# KiCad board iMX6_BareBones.kicad_pcb (continued)
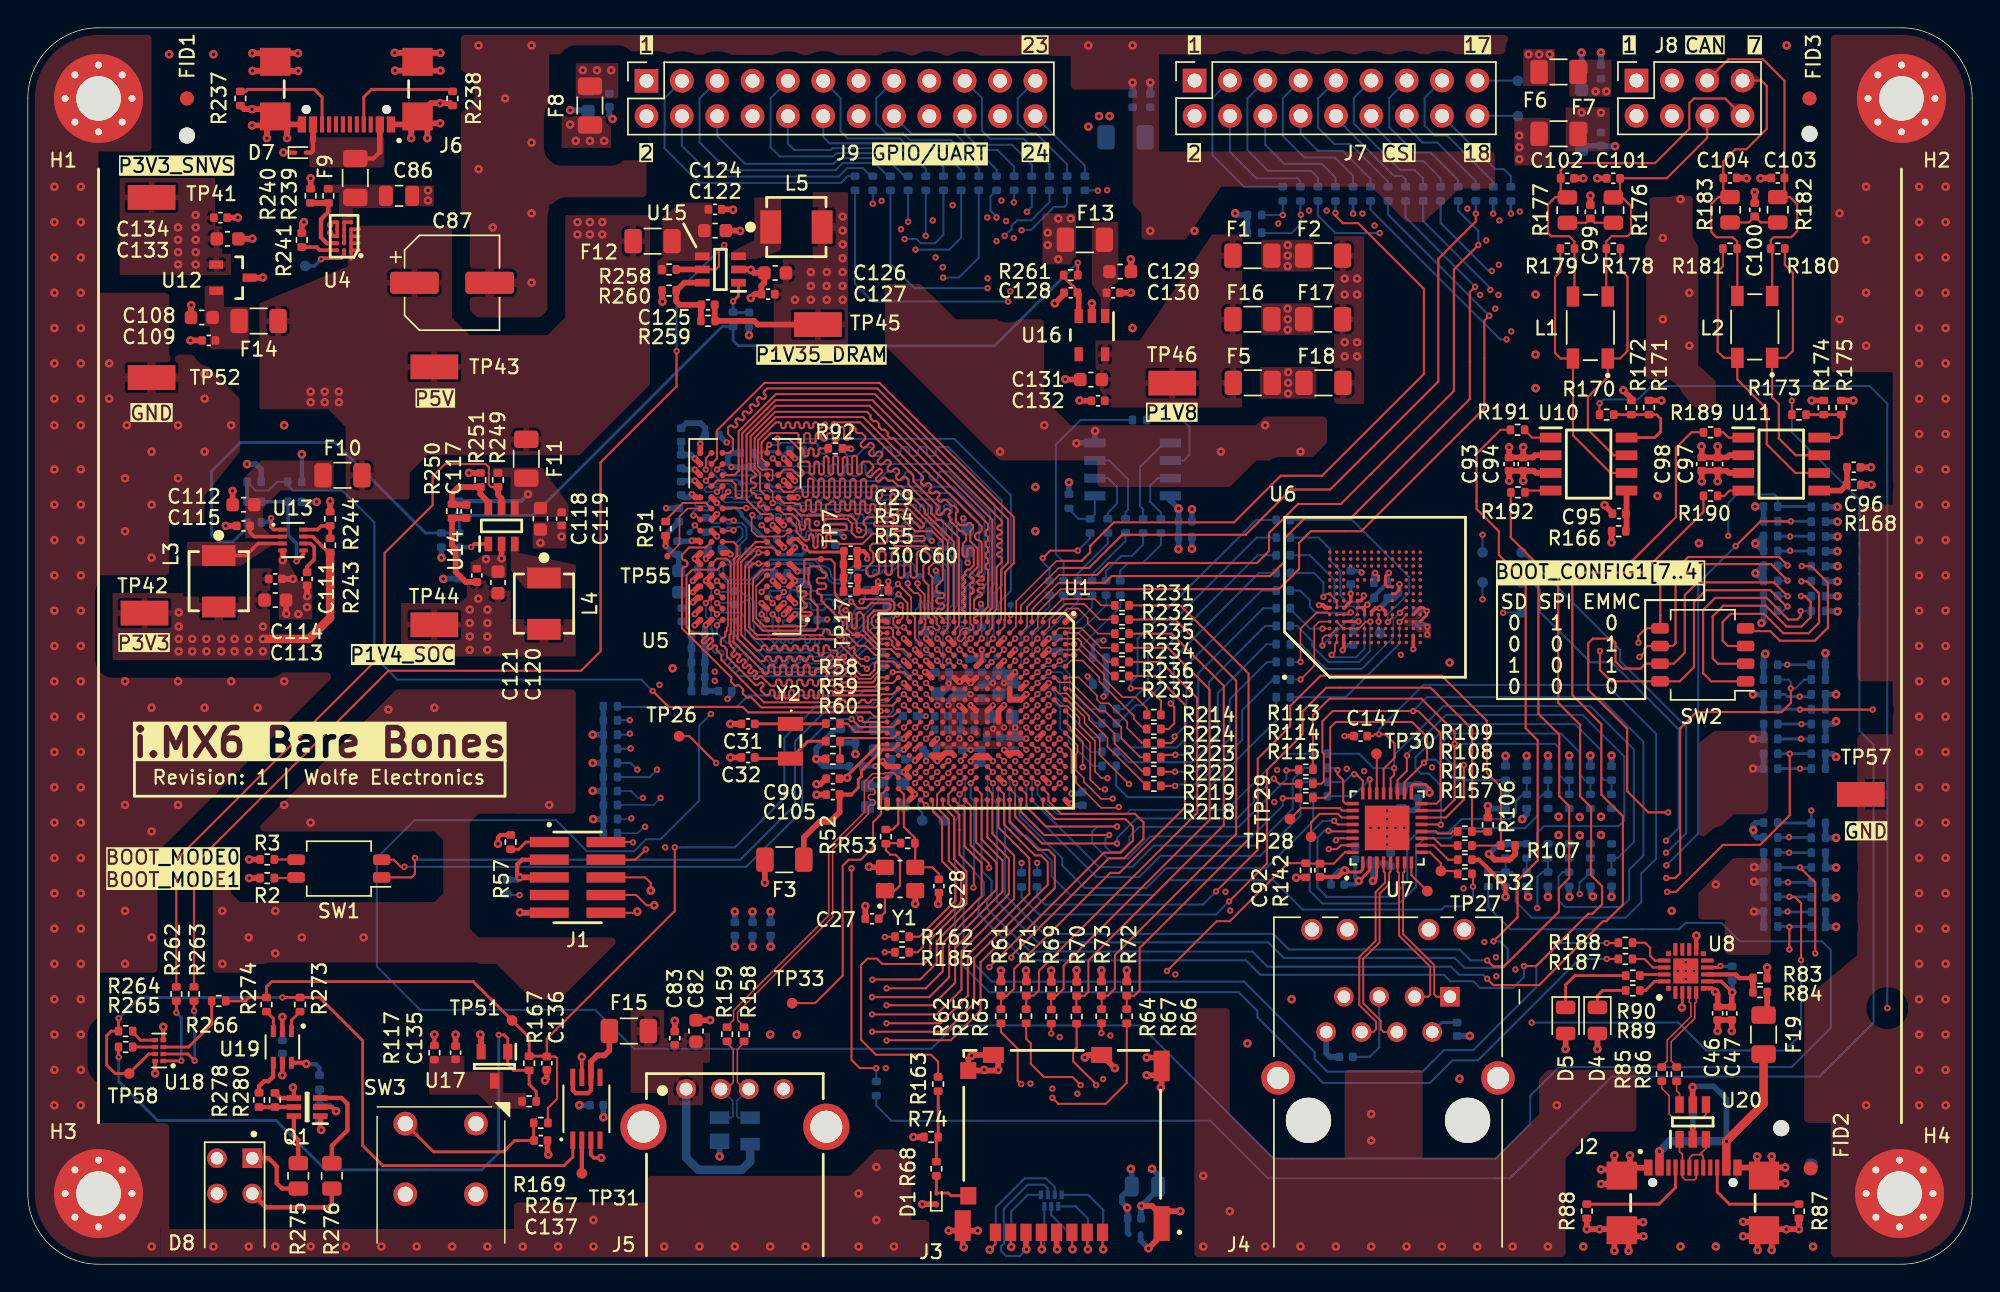
[diagram p0: board, top side]
## Footprints (pads in the part's own frame, mm; a bottom-side part is the same pattern mirrored in y, then rotated) (continued)
CP2102N_WFQFN-20
  rect 0.35x0.35 smd: 1(-1.25,1.25) 6(-1.25,-1.25) 11(1.25,-1.25) 16(1.25,1.25)
  rect 0.9x0.3 smd: 2(-1.55,0.75) 3(-1.55,0.25) 4(-1.55,-0.25) 5(-1.55,-0.75) 12(1.55,-0.75) 13(1.55,-0.25) 14(1.55,0.25) 15(1.55,0.75)
  rect 0.3x0.9 smd: 7(-0.75,-1.55) 8(-0.25,-1.55) 9(0.25,-1.55) 10(0.75,-1.55) 17(0.75,1.55) 18(0.25,1.55) 19(-0.25,1.55) 20(-0.75,1.55)
  rect 1.8x1.8 smd: EXP(0,0)
CP_Elec_6.3x7.7
  rrect 3.5x1.6 smd: 1(-2.7,0) 2(2.7,0)
D_SOD-923
  rrect 0.36x0.25 smd: 1(-0.42,0) 2(0.42,0)
DualAnd_74LVC2G08GT
  rect 0.43x0.31 smd: 1(-0.29,0.75)
  rect 0.42x0.31 smd: 2(-0.295,0.25) 3(-0.295,-0.25) 4(-0.295,-0.75) 5(0.295,-0.75) 6(0.295,-0.25) 7(0.295,0.25) 8(0.295,0.75)
DualNPN_MBT3904DW1T3G_SOT65P210X110-6N
  rect 1.05x0.4 smd: 1(-0.95,0.65) 2(-0.95,0) 3(-0.95,-0.65) 4(0.95,-0.65) 5(0.95,0) 6(0.95,0.65)
eMMC_BGA153C50P14X14_1150X1300X80
  round 0.254 smd: A1(-3.25,3.25) A2(-2.75,3.25) A3(-2.25,3.25) A4(-1.75,3.25) A5(-1.25,3.25) A6(-0.75,3.25) A7(-0.25,3.25) A8(0.25,3.25) A9(0.75,3.25) A10(1.25,3.25) A11(1.75,3.25) A12(2.25,3.25) A13(2.75,3.25) A14(3.25,3.25) B1(-3.25,2.75) B2(-2.75,2.75) B3(-2.25,2.75) B4(-1.75,2.75) B5(-1.25,2.75) B6(-0.75,2.75) B7(-0.25,2.75) B8(0.25,2.75) B9(0.75,2.75) B10(1.25,2.75) B11(1.75,2.75) B12(2.25,2.75) B13(2.75,2.75) B14(3.25,2.75) C1(-3.25,2.25) C2(-2.75,2.25) C3(-2.25,2.25) C4(-1.75,2.25) C5(-1.25,2.25) C6(-0.75,2.25) C7(-0.25,2.25) C8(0.25,2.25) C9(0.75,2.25) C10(1.25,2.25) C11(1.75,2.25) C12(2.25,2.25) C13(2.75,2.25) C14(3.25,2.25) D1(-3.25,1.75) D2(-2.75,1.75) D3(-2.25,1.75) D4(-1.75,1.75) D12(2.25,1.75) D13(2.75,1.75) D14(3.25,1.75) E1(-3.25,1.25) E2(-2.75,1.25) E3(-2.25,1.25) E5(-1.25,1.25) E6(-0.75,1.25) E7(-0.25,1.25) E8(0.25,1.25) E9(0.75,1.25) E10(1.25,1.25) E12(2.25,1.25) E13(2.75,1.25) E14(3.25,1.25) F1(-3.25,0.75) F2(-2.75,0.75) F3(-2.25,0.75) F5(-1.25,0.75) F10(1.25,0.75) F12(2.25,0.75) F13(2.75,0.75) F14(3.25,0.75) G1(-3.25,0.25) G2(-2.75,0.25) G3(-2.25,0.25) G5(-1.25,0.25) G10(1.25,0.25) G12(2.25,0.25) G13(2.75,0.25) G14(3.25,0.25) H1(-3.25,-0.25) H2(-2.75,-0.25) H3(-2.25,-0.25) H5(-1.25,-0.25) H10(1.25,-0.25) H12(2.25,-0.25) H13(2.75,-0.25) H14(3.25,-0.25) J1(-3.25,-0.75) J2(-2.75,-0.75) J3(-2.25,-0.75) J5(-1.25,-0.75) J10(1.25,-0.75) J12(2.25,-0.75) J13(2.75,-0.75) J14(3.25,-0.75) K1(-3.25,-1.25) K2(-2.75,-1.25) K3(-2.25,-1.25) K5(-1.25,-1.25) K6(-0.75,-1.25) K7(-0.25,-1.25) K8(0.25,-1.25) K9(0.75,-1.25) K10(1.25,-1.25) K12(2.25,-1.25) K13(2.75,-1.25) K14(3.25,-1.25) L1(-3.25,-1.75) L2(-2.75,-1.75) L3(-2.25,-1.75) L12(2.25,-1.75) L13(2.75,-1.75) L14(3.25,-1.75) M1(-3.25,-2.25) M2(-2.75,-2.25) M3(-2.25,-2.25) M4(-1.75,-2.25) M5(-1.25,-2.25) M6(-0.75,-2.25) M7(-0.25,-2.25) M8(0.25,-2.25) M9(0.75,-2.25) M10(1.25,-2.25) M11(1.75,-2.25) M12(2.25,-2.25) M13(2.75,-2.25) M14(3.25,-2.25) N1(-3.25,-2.75) N2(-2.75,-2.75) N3(-2.25,-2.75) N4(-1.75,-2.75) N5(-1.25,-2.75) N6(-0.75,-2.75) N7(-0.25,-2.75) N8(0.25,-2.75) N9(0.75,-2.75) N10(1.25,-2.75) N11(1.75,-2.75) N12(2.25,-2.75) N13(2.75,-2.75) N14(3.25,-2.75) P1(-3.25,-3.25) P2(-2.75,-3.25) P3(-2.25,-3.25) P4(-1.75,-3.25) P5(-1.25,-3.25) P6(-0.75,-3.25) P7(-0.25,-3.25) P8(0.25,-3.25) P9(0.75,-3.25) P10(1.25,-3.25) P11(1.75,-3.25) P12(2.25,-3.25) P13(2.75,-3.25) P14(3.25,-3.25)
FC135327680KAK0
  rect 1x1.8 smd: 1(-1.25,0) 2(1.25,0)
Fiducial_1mm_Mask2mm
  round 1 smd: (0,0)
FIL_DLW43SH510XK2K
  rect 1.45x0.9 smd: 1(-2.225,-1.25) 2(2.225,-1.25) 3(2.225,1.25) 4(-2.225,1.25)
Fuse_1206_3216Metric
  rrect 1.25x1.75 smd: 1(-1.4,0) 2(1.4,0)
GCT_MEM2090-00-145-00-A_REVA
  rect 1.15x2.2 smd: G1(-7.145,2.35) G5(7.145,13.83)
  rect 1.15x1.2 smd: G2(-6.745,13.5)
  rect 1.5x1.15 smd: G3(-4.94,14.625) G4(2.84,14.625)
  rect 1.15x2.5 smd: G6(7.145,2.5)
  rect 0.8x1.24 smd: P1(2.9,1.87) P2(1.8,1.87) P3(0.7,1.87) P4(-0.4,1.87) P5(-1.5,1.87) P6(-2.6,1.87) P7(-3.7,1.87) P8(-4.8,1.87)
  rect 1.15x1.25 smd: SW(-6.745,4.5)
GCT_USB4110GFA
  round 0.65 hole 0.65 unplated: (-2.89,0) (2.89,0)
  rect 0.6x1.15 smd: A1/B12(-3.2,1.075) A4/B9(-2.4,1.075) B1/A12(3.2,1.075) B4/A9(2.4,1.075)
  rect 0.3x1.15 smd: A5(-1.25,1.075) A6(-0.25,1.075) A7(0.25,1.075) A8(1.25,1.075) B5(1.75,1.075) B6(0.75,1.075) B7(-0.75,1.075) B8(-1.75,1.075)
  rect 2.18x2 smd: S1(-5.11,0.5) S2(5.11,0.5) S3(-5.11,-3.43) S4(5.11,-3.43)
IC_PUSB3AB6Z_ESD-SD
  rect 0.63x0.3 smd: 1(-0.415,0.75) 2(-0.415,0.25) 3(-0.415,-0.25) 4(-0.415,-0.75) 5(0.415,-0.5) 6(0.415,0) 7(0.415,0.5)
imx6ull_BGA289C80P17X17_1400X1400X132
  round 0.37 smd: A1(-6.4,6.4) A2(-5.6,6.4) A3(-4.8,6.4) A4(-4,6.4) A5(-3.2,6.4) A6(-2.4,6.4) A7(-1.6,6.4) A8(-0.8,6.4) A9(0,6.4) A10(0.8,6.4) A11(1.6,6.4) A12(2.4,6.4) A13(3.2,6.4) A14(4,6.4) A15(4.8,6.4) A16(5.6,6.4) A17(6.4,6.4) B1(-6.4,5.6) B2(-5.6,5.6) B3(-4.8,5.6) B4(-4,5.6) B5(-3.2,5.6) B6(-2.4,5.6) B7(-1.6,5.6) B8(-0.8,5.6) B9(0,5.6) B10(0.8,5.6) B11(1.6,5.6) B12(2.4,5.6) B13(3.2,5.6) B14(4,5.6) B15(4.8,5.6) B16(5.6,5.6) B17(6.4,5.6) C1(-6.4,4.8) C2(-5.6,4.8) C3(-4.8,4.8) C4(-4,4.8) C5(-3.2,4.8) C6(-2.4,4.8) C7(-1.6,4.8) C8(-0.8,4.8) C9(0,4.8) C10(0.8,4.8) C11(1.6,4.8) C12(2.4,4.8) C13(3.2,4.8) C14(4,4.8) C15(4.8,4.8) C16(5.6,4.8) C17(6.4,4.8) D1(-6.4,4) D2(-5.6,4) D3(-4.8,4) D4(-4,4) D5(-3.2,4) D6(-2.4,4) D7(-1.6,4) D8(-0.8,4) D9(0,4) D10(0.8,4) D11(1.6,4) D12(2.4,4) D13(3.2,4) D14(4,4) D15(4.8,4) D16(5.6,4) D17(6.4,4) E1(-6.4,3.2) E2(-5.6,3.2) E3(-4.8,3.2) E4(-4,3.2) E5(-3.2,3.2) E6(-2.4,3.2) E7(-1.6,3.2) E8(-0.8,3.2) E9(0,3.2) E10(0.8,3.2) E11(1.6,3.2) E12(2.4,3.2) E13(3.2,3.2) E14(4,3.2) E15(4.8,3.2) E16(5.6,3.2) E17(6.4,3.2) F1(-6.4,2.4) F2(-5.6,2.4) F3(-4.8,2.4) F4(-4,2.4) F5(-3.2,2.4) F6(-2.4,2.4) F7(-1.6,2.4) F8(-0.8,2.4) F9(0,2.4) F10(0.8,2.4) F11(1.6,2.4) F12(2.4,2.4) F13(3.2,2.4) F14(4,2.4) F15(4.8,2.4) F16(5.6,2.4) F17(6.4,2.4) G1(-6.4,1.6) G2(-5.6,1.6) G3(-4.8,1.6) G4(-4,1.6) G5(-3.2,1.6) G6(-2.4,1.6) G7(-1.6,1.6) G8(-0.8,1.6) G9(0,1.6) G10(0.8,1.6) G11(1.6,1.6) G12(2.4,1.6) G13(3.2,1.6) G14(4,1.6) G15(4.8,1.6) G16(5.6,1.6) G17(6.4,1.6) H1(-6.4,0.8) H2(-5.6,0.8) H3(-4.8,0.8) H4(-4,0.8) H5(-3.2,0.8) H6(-2.4,0.8) H7(-1.6,0.8) H8(-0.8,0.8) H9(0,0.8) H10(0.8,0.8) H11(1.6,0.8) H12(2.4,0.8) H13(3.2,0.8) H14(4,0.8) H15(4.8,0.8) H16(5.6,0.8) H17(6.4,0.8) J1(-6.4,0) J2(-5.6,0) J3(-4.8,0) J4(-4,0) J5(-3.2,0) J6(-2.4,0) J7(-1.6,0) J8(-0.8,0) J9(0,0) J10(0.8,0) J11(1.6,0) J12(2.4,0) J13(3.2,0) J14(4,0) J15(4.8,0) J16(5.6,0) J17(6.4,0) K1(-6.4,-0.8) K2(-5.6,-0.8) K3(-4.8,-0.8) K4(-4,-0.8) K5(-3.2,-0.8) K6(-2.4,-0.8) K7(-1.6,-0.8) K8(-0.8,-0.8) K9(0,-0.8) K10(0.8,-0.8) K11(1.6,-0.8) K12(2.4,-0.8) K13(3.2,-0.8) K14(4,-0.8) K15(4.8,-0.8) K16(5.6,-0.8) K17(6.4,-0.8) L1(-6.4,-1.6) L2(-5.6,-1.6) L3(-4.8,-1.6) L4(-4,-1.6) L5(-3.2,-1.6) L6(-2.4,-1.6) L7(-1.6,-1.6) L8(-0.8,-1.6) L9(0,-1.6) L10(0.8,-1.6) L11(1.6,-1.6) L12(2.4,-1.6) L13(3.2,-1.6) L14(4,-1.6) L15(4.8,-1.6) L16(5.6,-1.6) L17(6.4,-1.6) M1(-6.4,-2.4) M2(-5.6,-2.4) M3(-4.8,-2.4) M4(-4,-2.4) M5(-3.2,-2.4) M6(-2.4,-2.4) M7(-1.6,-2.4) M8(-0.8,-2.4) M9(0,-2.4) M10(0.8,-2.4) M11(1.6,-2.4) M12(2.4,-2.4) M13(3.2,-2.4) M14(4,-2.4) M15(4.8,-2.4) M16(5.6,-2.4) M17(6.4,-2.4) N1(-6.4,-3.2) N2(-5.6,-3.2) N3(-4.8,-3.2) N4(-4,-3.2) N5(-3.2,-3.2) N6(-2.4,-3.2) N7(-1.6,-3.2) N8(-0.8,-3.2) N9(0,-3.2) N10(0.8,-3.2) N11(1.6,-3.2) N12(2.4,-3.2) N13(3.2,-3.2) N14(4,-3.2) N15(4.8,-3.2) N16(5.6,-3.2) N17(6.4,-3.2) P1(-6.4,-4) P2(-5.6,-4) P3(-4.8,-4) P4(-4,-4) P5(-3.2,-4) P6(-2.4,-4) P7(-1.6,-4) P8(-0.8,-4) P9(0,-4) P10(0.8,-4) P11(1.6,-4) P12(2.4,-4) P13(3.2,-4) P14(4,-4) P15(4.8,-4) P16(5.6,-4) P17(6.4,-4) R1(-6.4,-4.8) R2(-5.6,-4.8) R3(-4.8,-4.8) R4(-4,-4.8) R5(-3.2,-4.8) R6(-2.4,-4.8) R7(-1.6,-4.8) R8(-0.8,-4.8) R9(0,-4.8) R10(0.8,-4.8) R11(1.6,-4.8) R12(2.4,-4.8) R13(3.2,-4.8) R14(4,-4.8) R15(4.8,-4.8) R16(5.6,-4.8) R17(6.4,-4.8) T1(-6.4,-5.6) T2(-5.6,-5.6) T3(-4.8,-5.6) T4(-4,-5.6) T5(-3.2,-5.6) T6(-2.4,-5.6) T7(-1.6,-5.6) T8(-0.8,-5.6) T9(0,-5.6) T10(0.8,-5.6) T11(1.6,-5.6) T12(2.4,-5.6) T13(3.2,-5.6) T14(4,-5.6) T15(4.8,-5.6) T16(5.6,-5.6) T17(6.4,-5.6) U1(-6.4,-6.4) U2(-5.6,-6.4) U3(-4.8,-6.4) U4(-4,-6.4) U5(-3.2,-6.4) U6(-2.4,-6.4) U7(-1.6,-6.4) U8(-0.8,-6.4) U9(0,-6.4) U10(0.8,-6.4) U11(1.6,-6.4) U12(2.4,-6.4) U13(3.2,-6.4) U14(4,-6.4) U15(4.8,-6.4) U16(5.6,-6.4) U17(6.4,-6.4)
KEYSTONE_5015
  rect 3.43x1.78 smd: 1(0,0)
KSZ8081RNB_QFN32
  rect 0.864x0.254 smd: 1(-2.477,1.75) 2(-2.477,1.25) 3(-2.477,0.75) 4(-2.477,0.25) 5(-2.477,-0.25) 6(-2.477,-0.75) 7(-2.477,-1.25) 8(-2.477,-1.75) 17(2.477,-1.75) 18(2.477,-1.25) 19(2.477,-0.75) 20(2.477,-0.25) 21(2.477,0.25) 22(2.477,0.75) 23(2.477,1.25) 24(2.477,1.75)
  rect 0.254x0.864 smd: 9(-1.75,-2.477) 10(-1.25,-2.477) 11(-0.75,-2.477) 12(-0.25,-2.477) 13(0.25,-2.477) 14(0.75,-2.477) 15(1.25,-2.477) 16(1.75,-2.477) 25(1.75,2.477) 26(1.25,2.477) 27(0.75,2.477) 28(0.25,2.477) 29(-0.25,2.477) 30(-0.75,2.477) 31(-1.25,2.477) 32(-1.75,2.477)
  rect 3.2x3.2 smd: 33(0,0)
LED_0805_2012Metric
  rrect 0.975x1.4 smd: 1(-0.938,0) 2(0.938,0)
LED_WP934MD_2GD
  rect 1.408x1.408 hole 0.9: 1(-2.915,1.27)
  round 1.408 hole 0.9: 2(-2.915,-1.27) 3(-0.375,1.27) 4(-0.375,-1.27)
LTV75718
  rect 1x0.6 smd: 1(-1.375,0.95) 2(-1.375,0) 3(-1.375,-0.95) 4(1.375,-0.95) 5(1.375,0.95)
MIC2025_MSOP-8_MM_MCH
  rect 1.245x0.356 smd: 1(-2.261,0.975) 2(-2.261,0.325) 3(-2.261,-0.325) 4(-2.261,-0.975) 5(2.261,-0.975) 6(2.261,-0.325) 7(2.261,0.325) 8(2.261,0.975)
MountingHole_3.2mm_M3_Pad_Via
  round 0.8 hole 0.5: 1(-2.4,0) 1(-1.697,1.697) 1(-1.697,-1.697) 1(0,2.4) 1(0,-2.4) 1(1.697,1.697) 1(1.697,-1.697) 1(2.4,0)
  round 6.4 hole 3.2: 1(0,0)
MT41K_BGA96C80P9X16_1400X800X120
  round 0.43 smd: A1(-3.2,6) A2(-2.4,6) A3(-1.6,6) A7(1.6,6) A8(2.4,6) A9(3.2,6) B1(-3.2,5.2) B2(-2.4,5.2) B3(-1.6,5.2) B7(1.6,5.2) B8(2.4,5.2) B9(3.2,5.2) C1(-3.2,4.4) C2(-2.4,4.4) C3(-1.6,4.4) C7(1.6,4.4) C8(2.4,4.4) C9(3.2,4.4) D1(-3.2,3.6) D2(-2.4,3.6) D3(-1.6,3.6) D7(1.6,3.6) D8(2.4,3.6) D9(3.2,3.6) E1(-3.2,2.8) E2(-2.4,2.8) E3(-1.6,2.8) E7(1.6,2.8) E8(2.4,2.8) E9(3.2,2.8) F1(-3.2,2) F2(-2.4,2) F3(-1.6,2) F7(1.6,2) F8(2.4,2) F9(3.2,2) G1(-3.2,1.2) G2(-2.4,1.2) G3(-1.6,1.2) G7(1.6,1.2) G8(2.4,1.2) G9(3.2,1.2) H1(-3.2,0.4) H2(-2.4,0.4) H3(-1.6,0.4) H7(1.6,0.4) H8(2.4,0.4) H9(3.2,0.4) J1(-3.2,-0.4) J2(-2.4,-0.4) J3(-1.6,-0.4) J7(1.6,-0.4) J8(2.4,-0.4) J9(3.2,-0.4) K1(-3.2,-1.2) K2(-2.4,-1.2) K3(-1.6,-1.2) K7(1.6,-1.2) K8(2.4,-1.2) K9(3.2,-1.2) L1(-3.2,-2) L2(-2.4,-2) L3(-1.6,-2) L7(1.6,-2) L8(2.4,-2) L9(3.2,-2) M1(-3.2,-2.8) M2(-2.4,-2.8) M3(-1.6,-2.8) M7(1.6,-2.8) M8(2.4,-2.8) M9(3.2,-2.8) N1(-3.2,-3.6) N2(-2.4,-3.6) N3(-1.6,-3.6) N7(1.6,-3.6) N8(2.4,-3.6) N9(3.2,-3.6) P1(-3.2,-4.4) P2(-2.4,-4.4) P3(-1.6,-4.4) P7(1.6,-4.4) P8(2.4,-4.4) P9(3.2,-4.4) R1(-3.2,-5.2) R2(-2.4,-5.2) R3(-1.6,-5.2) R7(1.6,-5.2) R8(2.4,-5.2) R9(3.2,-5.2) T1(-3.2,-6) T2(-2.4,-6) T3(-1.6,-6) T7(1.6,-6) T8(2.4,-6) T9(3.2,-6)
NX20P5090UK
  round 0.306 smd: A1(-0.5,1) A2(0,1) A3(0.5,1) B1(-0.5,0.5) B2(0,0.5) B3(0.5,0.5) C1(-0.5,0) C2(0,0) C3(0.5,0) D1(-0.5,-0.5) D2(0,-0.5) D3(0.5,-0.5) E1(-0.5,-1) E2(0,-1) E3(0.5,-1)
PinSocket_2x04_P2.54mm_Vertical ( Sullins PPPC042LFBN-RC)
  rect 1.7x1.7 hole 1: 1(0,0)
  round 1.7 hole 1: 2(-2.54,0) 3(0,-2.54) 4(-2.54,-2.54) 5(0,-5.08) 6(-2.54,-5.08) 7(0,-7.62) 8(-2.54,-7.62)
PinSocket_2x09_P2.54mm_Vertical (Sullins PPPC092LFBN-RC)
  rect 1.7x1.7 hole 1: 1(0,0)
  round 1.7 hole 1: 2(-2.54,0) 3(0,-2.54) 4(-2.54,-2.54) 5(0,-5.08) 6(-2.54,-5.08) 7(0,-7.62) 8(-2.54,-7.62) 9(0,-10.16) 10(-2.54,-10.16) 11(0,-12.7) 12(-2.54,-12.7) 13(0,-15.24) 14(-2.54,-15.24) 15(0,-17.78) 16(-2.54,-17.78) 17(0,-20.32) 18(-2.54,-20.32)
PinSocket_2x12_P2.54mm_Vertical (Sullins PPPC122LFBN-RC)
  rect 1.7x1.7 hole 1: 1(0,0)
  round 1.7 hole 1: 2(-2.54,0) 3(0,-2.54) 4(-2.54,-2.54) 5(0,-5.08) 6(-2.54,-5.08) 7(0,-7.62) 8(-2.54,-7.62) 9(0,-10.16) 10(-2.54,-10.16) 11(0,-12.7) 12(-2.54,-12.7) 13(0,-15.24) 14(-2.54,-15.24) 15(0,-17.78) 16(-2.54,-17.78) 17(0,-20.32) 18(-2.54,-20.32) 19(0,-22.86) 20(-2.54,-22.86) 21(0,-25.4) 22(-2.54,-25.4) 23(0,-27.94) 24(-2.54,-27.94)
QSPI_flash_AT25SF321B_SOIC127P600X175-8N
  rect 1.525x0.65 smd: 1(-2.712,1.905) 2(-2.712,0.635) 3(-2.712,-0.635) 4(-2.712,-1.905) 5(2.712,-1.905) 6(2.712,-0.635) 7(2.712,0.635) 8(2.712,1.905)
R_0402_1005Metric
  rrect 0.54x0.64 smd: 1(-0.51,0) 2(0.51,0)
R_0805_2012Metric
  rrect 1.025x1.4 smd: 1(-0.912,0) 2(0.912,0)
SAMTEC_FTSH-105-XX-X-DV
  rect 0.74x2.79 smd: 01(-2.54,-2.035) 02(-2.54,2.035) 03(-1.27,-2.035) 04(-1.27,2.035) 05(0,-2.035) 06(0,2.035) 07(1.27,-2.035) 08(1.27,2.035) 09(2.54,-2.035) 10(2.54,2.035)
SN74LVC2G34_DCK6
  rect 0.845x0.355 smd: 1(-1.134,0.65) 2(-1.134,0) 3(-1.134,-0.65) 4(1.134,-0.65) 5(1.134,0) 6(1.134,0.65)
SOT583_MP2182_MNP
  rect 0.61x0.279 smd: 1(-0.749,0.75) 2(-0.749,0.25) 3(-0.749,-0.25) 4(-0.749,-0.75) 5(0.749,-0.75) 6(0.749,-0.25) 7(0.749,0.25) 8(0.749,0.75)
SP0503BAHTG
  rect 1.1x1.4 smd: 1(-0.75,-1.1)
  rect 0.9x1.4 smd: 2(0.95,-1.1) 3(0.95,1.1) 4(-0.95,1.1)
SW_DIP_SPSTx02_Slide_Omron_A6H-2101_W6.15mm_P1.27mm
  rrect 1.25x0.76 smd: 1(-3.075,0.635) 2(-3.075,-0.635) 3(3.075,-0.635) 4(3.075,0.635)
SW_DIP_SPSTx04_Slide_Omron_A6H-4101_W6.15mm_P1.27mm
  rrect 1.25x0.76 smd: 1(-3.075,1.905) 2(-3.075,0.635) 3(-3.075,-0.635) 4(-3.075,-1.905) 5(3.075,-1.905) 6(3.075,-0.635) 7(3.075,0.635) 8(3.075,1.905)
T_Wurth_WE-RJ45LAN_7499010121A
  round 3.25 hole 3.25 unplated: (-10.16,-8.89) (1.27,-8.89)
  rect 1.408x1.408 hole 0.9: 1(0,0)
  round 1.408 hole 0.9: 2(-1.27,-2.54) 3(-2.54,0) 4(-3.81,-2.54) 5(-5.08,0) 6(-6.35,-2.54) 7(-7.62,0) 8(-8.89,-2.54)
  round 1.53 hole 1.02: 9(1.02,4.83) 10(-1.52,4.83) 11(-7.37,4.83) 12(-9.91,4.83)
  round 2.4 hole 1.6: SH(-12.345,-5.84) SH(3.455,-5.84)
TestPoint_Pad_D18mil
  round 0.457 smd: 1(0,0)
TestPoint_Pad_D30mil
  round 0.762 smd: 1(0,0)
TJA1042T_SOIC127P600X175-8N
  rect 1.55x0.7 smd: 1(-2.725,1.905) 2(-2.725,0.635) 3(-2.725,-0.635) 4(-2.725,-1.905) 5(2.725,-1.905) 6(2.725,-0.635) 7(2.725,0.635) 8(2.725,1.905)
TLV76033
  rect 1x0.6 smd: 1(-1.2,0.95) 2(-1.2,-0.95) 3(1.2,0)
ToolingHole_1.152mm
  round 1.152 hole 1.152 unplated: (0,0)
TSX-322524.0000MF15X-AC3
  rrect 1.09x1.29 smd: 1(-0.84,1.09) 2(-0.84,-1.09) 3(0.84,-1.09) 4(0.84,1.09)
USBArec_61400416021
  round 1.428 hole 0.92: 1(-3.5,5.99) 2(-1,5.99) 3(1,5.99) 4(3.5,5.99)
  round 3.316 hole 2.3: S1(-6.57,3.28) S2(6.57,3.28)
USBLC6-2SC6
  rect 1.2x0.6 smd: 1(-1.25,0.95) 2(-1.25,0) 3(-1.25,-0.95) 4(1.25,-0.95) 5(1.25,0) 6(1.25,0.95)
WE-LHMI_4020
  rect 1.5x2.4 smd: 1(-1.85,0) 2(1.85,0)

## Nets
/Signal_Map/iMX6_Ethernet_USB/VDD_USB_CAP: C106.2 C107.2 U1.R12
/Signal_Map/iMX6_Power/VDD_ARM_CAP: C15.1 C18.1 C21.1 U1.G9 U1.G10 U1.G11 U1.H11
/Signal_Map/iMX6_Power/VDD_HIGH_CAP: C23.1 C26.1 C148.1 U1.N6 U1.R14 U1.R15
/Signal_Map/iMX6_Power/VDD_SNVS_CAP: C17.1 U1.N12
/Signal_Map/iMX6_Power/VDD_SOC_CAP: C16.1 C19.1 C22.1 C25.1 U1.G8 U1.H8 U1.J8 U1.J11 U1.K8 U1.K11 U1.L8 U1.L9 U1.L10 U1.L11
/Signal_Map/Power2/P1V4_EN: C116.2 R254.1 U14.1
/Signal_Map/Power2/P1V4_FB: C117.1 R250.1 R251.2 U14.6
/Signal_Map/Power2/P1V4_LX: L4.1 U14.3
/Signal_Map/Power2/P1V4_PG: R249.1 R262.1 U14.5
/Signal_Map/Power2/P1V8_EN: C128.2 R261.1 U16.3
/Signal_Map/Power2/P1V35_EN: C123.2 R257.1 U15.1
/Signal_Map/Power2/P1V35_FB: C125.1 R259.1 R260.2 U15.6
/Signal_Map/Power2/P1V35_LX: L5.1 U15.3
/Signal_Map/Power2/P1V35_PG: R258.1 R263.1 U15.5
/Signal_Map/Power/P3V3_EN: C110.2 R245.1 U13.5
/Signal_Map/Power/P3V3_FB: R243.1 R244.2 U13.8
/Signal_Map/Power/P3V3_PG_R: R248.1 U13.1
/Signal_Map/Power/P3V3_PGD: R248.2 R252.1 R253.2 R254.2 R257.2 R261.2
/Signal_Map/Power/P3V3_SS: C111.2 U13.6
/Signal_Map/Power/P3V3_SW: L3.1 U13.3
/Signal_Map/Power/VBUS_ACK: TP40.1 U4.A2
/Signal_Map/Power/VBUS_OVLO: R239.1 R240.2 U4.B3
GND: C1.2 C2.2 C3.2 C4.2 C5.2 C6.2 C7.2 C8.2 C9.2 C10.2 C11.2 C12.2 C13.2 C14.2 C15.2 C16.2 C17.2 C18.2 C19.2 C20.2 C21.2 C22.2 C23.2 C24.2 C25.2 C26.2 C27.2 C28.2 C30.2 C31.2 C32.2 C33.2 C34.2 C35.2 C36.2 C37.2 C38.2 C39.2 C40.2 C41.2 C42.1 C43.1 C44.1 C45.1 C46.1 C47.1 C48.1 C49.1 C50.1 C51.2 C52.1 C53.1 C58.1 C59.1 C60.1 C61.1 C62.1 C63.1 C64.1 C65.1 C66.1 C67.1 C68.1 C69.1 C70.1 C71.1 C72.1 C73.2 C74.2 C75.2 C76.2 C77.2 C78.2 C79.2 C80.2 C81.1 C82.1 C83.1 C84.1 C85.1 C86.2 C87.2 C88.1 C89.1 C90.1 C91.1 C92.2 C93.2 C94.2 C95.2 C96.2 C97.2 C98.2 C99.2 C100.2 C101.2 C102.2 C103.2 C104.2 C105.1 C106.1 C107.1 C108.2 C109.2 C110.1 C111.1 C112.2 C113.2 C114.2 C115.2 C116.1 C118.2 C119.2 C120.2 C121.2 C122.2 C123.1 C124.2 C126.2 C127.2 C128.1 C129.2 C130.2 C131.2 C132.2 C133.2 C134.2 C135.1 C136.1 C137.1 C138.2 C139.2 C140.2 C141.2 C142.2 C143.2 C144.2 C145.2 C146.1 C147.2 C148.2 C149.1 C150.1 D1.1 D2.1 D6.1 D7.1 H1.1 H2.1 H3.1 H4.1 J1.03 J1.05 J1.09 J2.A1/B12 J2.B1/A12 J2.S1 J2.S2 J2.S3 J2.S4 J3.G1 J3.G2 J3.G3 J3.G4 J3.G5 J3.G6 J3.P6 J4.8 J4.SH J5.4 J5.S1 J5.S2 J6.A1/B12 J6.B1/A12 J6.S1 J6.S2 J6.S3 J6.S4 J7.1 J8.3 J8.4 J9.2 J9.7 J9.8 J9.13 J9.14 J9.18 J9.21 J9.22 Q1.1 Q1.4 R1.2 R28.1 R29.1 R30.1 R31.1 R32.1 R33.1 R34.1 R35.1 R36.1 R37.1 R38.1 R39.1 R40.1 R41.1 R42.1 R43.1 R44.1 R45.1 R46.1 R47.1 R48.1 R49.1 R50.1 R51.1 R55.2 R56.1 R60.1 R83.1 R87.1 R88.1 R91.2 R92.2 R94.1 R95.1 R96.1 R97.1 R98.1 R100.1 R101.1 R102.1 R103.1 R104.1 R105.1 R119.1 R121.1 R123.1 R125.1 R127.1 R129.1 R131.1 R133.1 R135.1 R137.1 R139.1 R141.1 R171.1 R175.1 R237.1 R238.1 R240.1 R241.1 R244.1 R247.1 R251.1 R253.1 R256.2 R260.1 R279.2 R280.2 R281.2 SW3.1 TP52.1 TP57.1 U1.A1 U1.A17 U1.C3 U1.C7 U1.C11 U1.C15 U1.E8 U1.E11 U1.F6 U1.F7 U1.F8 U1.F9 U1.F10 U1.F11 U1.F12 U1.G3 U1.G5 U1.G7 U1.G12 U1.G15 U1.H7 U1.H12 U1.J5 U1.J7 U1.J12 U1.K7 U1.K12 U1.L3 U1.L7 U1.L12 U1.M7 U1.M8 U1.M9 U1.M10 U1.M11 U1.M12 U1.N3 U1.N5 U1.R3 U1.R5 U1.R7 U1.R11 U1.R16 U1.R17 U1.T14 U1.U1 U1.U14 U1.U17 U2.2 U3.4 U4.C3 U4.D3 U4.E3 U5.A9 U5.B1 U5.B3 U5.B9 U5.D1 U5.D8 U5.E1 U5.E2 U5.E8 U5.F9 U5.G1 U5.G8 U5.G9 U5.J2 U5.J8 U5.M1 U5.M9 U5.P1 U5.P9 U5.T1 U5.T9 U6.A6 U6.C4 U6.D4 U6.E7 U6.G5 U6.H10 U6.J5 U6.K8 U6.N1 U6.N2 U6.N5 U6.P4 U6.P6 U7.1 U7.33 U8.3 U8.12 U8.EXP U9.3 U10.2 U11.2 U12.3 U13.4 U14.2 U15.2 U16.2 U17.2 U18.4 U19.2 U20.2 Y1.2 Y1.4
P1V4_SOC: C4.1 C7.1 C10.1 C12.1 C117.2 C120.1 C121.1 L4.2 R250.2 TP44.1 U1.H9 U1.H10 U1.J9 U1.J10 U1.K9 U1.K10
P1V8: C131.1 C132.1 F1.2 F5.2 F16.2 TP46.1 U16.5
P1V8_EMMC_IO: C40.1 C41.1 F5.1 F18.1 U6.C6 U6.M4 U6.N4 U6.P3 U6.P5
P1V35_DRAM: C1.1 C2.1 C3.1 C5.1 C8.1 C11.1 C13.1 C29.1 C50.2 C51.1 C52.2 C53.2 C58.2 C59.2 C60.2 C61.2 C62.2 C63.2 C64.2 C65.2 C66.2 C67.2 C68.2 C69.2 C70.2 C71.2 C72.2 C125.2 C126.1 C127.1 L5.2 R54.1 R259.2 TP45.1 U1.G6 U1.H6 U1.J6 U1.K6 U1.L6 U1.M6 U5.A1 U5.A8 U5.B2 U5.C1 U5.C9 U5.D2 U5.D9 U5.E9 U5.F1 U5.G7 U5.H2 U5.H9 U5.K2 U5.K8 U5.N1 U5.N9 U5.R1 U5.R9
P3V3: C6.1 C9.1 C33.1 C34.1 C35.1 C36.1 C37.1 C38.1 C42.2 C43.2 C44.2 C46.2 C47.2 C75.1 C76.1 C77.1 C78.1 C84.2 C85.2 C88.2 C91.2 C113.1 C114.1 C146.2 D2.2 D4.2 D5.2 D8.2 D8.4 F2.2 F4.2 F6.2 F8.2 F13.2 F17.2 F18.2 J3.P4 J4.10 J4.12 L3.2 R2.1 R3.1 R4.1 R5.1 R6.1 R7.1 R8.1 R9.1 R10.1 R11.1 R12.1 R13.1 R14.1 R15.1 R16.1 R17.1 R18.1 R19.1 R20.1 R21.1 R22.1 R23.1 R24.1 R25.1 R26.1 R27.1 R57.1 R61.2 R69.2 R70.2 R71.2 R72.2 R73.2 R74.2 R75.2 R82.2 R106.2 R107.2 R117.2 R118.2 R120.2 R122.2 R124.2 R126.2 R128.2 R130.2 R132.2 R134.2 R136.2 R138.2 R140.2 R142.2 R166.1 R168.1 R172.2 R174.2 R243.2 R271.2 R272.2 TP42.1 U1.C4 U1.E13 U1.F13 U1.H13 U1.J13 U1.L13 U1.M13 U1.N13 U3.8 U6.E6 U6.F5 U6.J10 U6.K9 U7.3 U7.17 U8.6 U8.7 U13.7 U18.8 U19.5
P3V3_CAM: C138.1 C139.1 F4.1 J7.2
P3V3_CAN: C140.1 C141.1 F6.1 J8.1
P3V3_EXT: C144.1 C145.1 F8.1 J9.1 J9.17
P3V3_LDO1V8_VIN: C129.1 C130.1 F13.1 U16.1
P3V3_SNVS: C14.1 C133.1 C134.1 R282.1 TP41.1 U1.P12 U12.1
P3V3_SUP: C135.2 R117.1 R169.1 U17.3
P5V: C81.2 C87.1 C93.1 C94.1 C97.1 C98.1 C105.2 F3.2 F7.2 F10.2 F11.2 F12.2 F14.2 R246.2 TP43.1 U1.U12 U4.A1 U4.B1 U4.C1 U4.D1 U9.7 U10.3 U11.3
P5V_BUCK1V4_VIN: C118.1 C119.1 F11.1 R249.2 R252.2 U14.4
P5V_BUCK1V35_VIN: C122.1 C124.1 F12.1 R258.2 U15.4
P5V_BUCK3V3_VIN: C112.1 C115.1 F10.1 U13.2
P5V_CAN: C142.1 C143.1 F7.1 J8.2
P5V_DEBUG: F19.1 R84.2
P5V_DEBUG_VBUS: C150.2 F19.2 J2.A4/B9 J2.B4/A9 U20.5
P5V_LDO3V3_VIN: C108.1 C109.1 F14.1 U12.2
P5V_USB_HOST: C82.2 C83.2 D6.4 F15.1 J5.1
P5V_USB_HOST_LS: F15.2 U9.6 U9.8
P5V_USB_OTG1: C90.2 F3.1 U1.T12
P5V_VBUS: D7.2 F9.2 J6.A4/B9 J6.B4/A9
P5V_VBUS_OVLO: C86.1 F9.1 R239.2 U4.B2 U4.C2 U4.D2 U4.E1 U4.E2
/Signal_Map/BootMode/BOOT_MODE0: SW1.2 U1.T10
/Signal_Map/BootMode/BOOT_MODE1: SW1.1 U1.U10
/Signal_Map/BootMode/LCD_DATA00: R11.2 R28.2 U1.B9
/Signal_Map/BootMode/LCD_DATA01: R10.2 R29.2 U1.A9
/Signal_Map/BootMode/LCD_DATA02: R9.2 R30.2 U1.E10
/Signal_Map/BootMode/LCD_DATA03: R8.2 R31.2 U1.D10
/Signal_Map/BootMode/LCD_DATA04: R32.2 SW2.5 U1.C10
/Signal_Map/BootMode/LCD_DATA05: R33.2 SW2.6 U1.B10
/Signal_Map/BootMode/LCD_DATA06: R34.2 SW2.7 U1.A10
/Signal_Map/BootMode/LCD_DATA07: R35.2 SW2.8 U1.D11
/Signal_Map/BootMode/LCD_DATA08: R19.2 R36.2 U1.B11
/Signal_Map/BootMode/LCD_DATA09: R18.2 R37.2 U1.A11
/Signal_Map/BootMode/LCD_DATA10: R17.2 R38.2 U1.E12
/Signal_Map/BootMode/LCD_DATA11: R16.2 R39.2 U1.D12
/Signal_Map/BootMode/LCD_DATA12: R15.2 R40.2 U1.C12
/Signal_Map/BootMode/LCD_DATA13: R14.2 R41.2 U1.B12
/Signal_Map/BootMode/LCD_DATA14: R13.2 R42.2 U1.A12
/Signal_Map/BootMode/LCD_DATA15: R12.2 R43.2 U1.D13
/Signal_Map/BootMode/LCD_DATA16: R27.2 R44.2 U1.C13
/Signal_Map/BootMode/LCD_DATA17: R26.2 R45.2 U1.B13
/Signal_Map/BootMode/LCD_DATA18: R25.2 R46.2 U1.A13
/Signal_Map/BootMode/LCD_DATA19: R24.2 R47.2 U1.D14
/Signal_Map/BootMode/LCD_DATA20: R23.2 R48.2 U1.C14
/Signal_Map/BootMode/LCD_DATA21: R22.2 R49.2 U1.B14
/Signal_Map/BootMode/LCD_DATA22: R21.2 R50.2 U1.A14
/Signal_Map/BootMode/LCD_DATA23: R20.2 R51.2 U1.B16
/Signal_Map/CAN/CAN1_H: L1.1 R178.1 U10.7
/Signal_Map/CAN/CAN1_H_CONN: C101.1 J8.6 L1.2 R176.2 R178.2
/Signal_Map/CAN/CAN1_L: L1.4 R179.1 U10.6
/Signal_Map/CAN/CAN1_L_CONN: C102.1 J8.8 L1.3 R177.1 R179.2
/Signal_Map/CAN/CAN1_RXD: R192.1 U10.4
/Signal_Map/CAN/CAN1_STB: R170.2 R171.2 R172.1 U10.8
/Signal_Map/CAN/CAN1_STBY: R170.1 R185.2
/Signal_Map/CAN/CAN1_TXD: R191.1 U10.1
/Signal_Map/CAN/CAN2_H: L2.1 R180.1 U11.7
/Signal_Map/CAN/CAN2_H_CONN: C103.1 J8.5 L2.2 R180.2 R182.2
/Signal_Map/CAN/CAN2_L: L2.4 R181.1 U11.6
/Signal_Map/CAN/CAN2_L_CONN: C104.1 J8.7 L2.3 R181.2 R183.1
/Signal_Map/CAN/CAN2_RXD: R190.1 U11.4
/Signal_Map/CAN/CAN2_STB: R173.2 R174.1 R175.2 U11.8
/Signal_Map/CAN/CAN2_STBY: R173.1 R186.2
/Signal_Map/CAN/CAN2_TXD: R189.1 U11.1
/Signal_Map/Connectors/CP2102N_RXT: R90.2 U8.19
/Signal_Map/Connectors/CP2102N_RXT_R: D5.1 R90.1
/Signal_Map/Connectors/CP2102N_TXT: R89.2 U8.20
/Signal_Map/Connectors/CP2102N_TXT_R: D4.1 R89.1
/Signal_Map/Connectors/DEBUG_RSTB: R82.1 U8.9
/Signal_Map/Connectors/DEBUG_USB_DN: J2.A7 J2.B7 U20.1
/Signal_Map/Connectors/DEBUG_USB_DP: J2.A6 J2.B6 U20.3
/Signal_Map/Connectors/DEBUG_USB_ESD_DN: R86.2 U20.6
/Signal_Map/Connectors/DEBUG_USB_ESD_DP: R85.2 U20.4
/Signal_Map/Connectors/DEBUG_USB_R_DN: R86.1 U8.5
/Signal_Map/Connectors/DEBUG_USB_R_DP: R85.1 U8.4
/Signal_Map/Connectors/DEBUG_VBUS: R83.2 R84.1 U8.8
/Signal_Map/Connectors/JTAG_TCK: J1.02 U1.M14
/Signal_Map/Connectors/JTAG_TDI: J1.06 U1.N16
/Signal_Map/Connectors/JTAG_TDO: J1.08 U1.N15
/Signal_Map/Connectors/JTAG_TMS: J1.04 U1.P14
/Signal_Map/Connectors/POWER_GOOD: R264.1 R273.2 TP58.1 U9.1 U18.7
/Signal_Map/Connectors/UART1_CP2102_IMX6: R187.1 U8.18
/Signal_Map/Connectors/UART1_IMX6_CP2102: R188.1 U8.17
/Signal_Map/Connectors/USB1_DN: D6.2 J5.2 R159.2
/Signal_Map/Connectors/USB1_DP: D6.3 J5.3 R158.2
/Signal_Map/Connectors/USB_DEGUB_CC1: J2.A5 R88.2
/Signal_Map/Connectors/USB_DEGUB_CC2: J2.B5 R87.2
/Signal_Map/Connectors/~{JTAG_TRST}: J1.10 U1.N14
/Signal_Map/DRAM_DDR3L/DRAM_A0: TP11.1 TP19.1 U1.L5 U5.N3
/Signal_Map/DRAM_DDR3L/DRAM_A1: U1.H2 U5.P7
/Signal_Map/DRAM_DDR3L/DRAM_A2: U1.K1 U5.P3
/Signal_Map/DRAM_DDR3L/DRAM_A3: U1.M2 U5.N2
/Signal_Map/DRAM_DDR3L/DRAM_A4: U1.K4 U5.P8
/Signal_Map/DRAM_DDR3L/DRAM_A5: U1.L1 U5.P2
/Signal_Map/DRAM_DDR3L/DRAM_A6: U1.G2 U5.R8
/Signal_Map/DRAM_DDR3L/DRAM_A7: U1.H4 U5.R2
/Signal_Map/DRAM_DDR3L/DRAM_A8: TP13.1 TP23.1 U1.J4 U5.T8
/Signal_Map/DRAM_DDR3L/DRAM_A9: U1.L2 U5.R3
/Signal_Map/DRAM_DDR3L/DRAM_A10: U1.M4 U5.L7
/Signal_Map/DRAM_DDR3L/DRAM_A11: U1.K3 U5.R7
/Signal_Map/DRAM_DDR3L/DRAM_A12: U1.L4 U5.N7
/Signal_Map/DRAM_DDR3L/DRAM_A13: U1.H3 U5.T3
/Signal_Map/DRAM_DDR3L/DRAM_A14: U1.G1 U5.T7
/Signal_Map/DRAM_DDR3L/DRAM_BA0: U1.M1 U5.M2
/Signal_Map/DRAM_DDR3L/DRAM_BA1: U1.H1 U5.N8
/Signal_Map/DRAM_DDR3L/DRAM_BA2: U1.K2 U5.M3
/Signal_Map/DRAM_DDR3L/DRAM_CLK0_N: R93.2 TP6.1 TP16.1 U1.P2 U5.K7
/Signal_Map/DRAM_DDR3L/DRAM_CLK0_P: R93.1 TP5.1 TP15.1 U1.P1 U5.J7
/Signal_Map/DRAM_DDR3L/DRAM_D0: TP7.1 TP17.1 U1.T4 U5.E3
/Signal_Map/DRAM_DDR3L/DRAM_D1: U1.U6 U5.H3
/Signal_Map/DRAM_DDR3L/DRAM_D2: U1.T6 U5.H7
/Signal_Map/DRAM_DDR3L/DRAM_D3: U1.U7 U5.F8
/Signal_Map/DRAM_DDR3L/DRAM_D4: U1.U8 U5.F7
/Signal_Map/DRAM_DDR3L/DRAM_D5: U1.T8 U5.H8
/Signal_Map/DRAM_DDR3L/DRAM_D6: U1.T5 U5.G2
/Signal_Map/DRAM_DDR3L/DRAM_D7: U1.U4 U5.F2
/Signal_Map/DRAM_DDR3L/DRAM_D8: TP9.1 TP21.1 U1.U2 U5.D7
/Signal_Map/DRAM_DDR3L/DRAM_D9: U1.U3 U5.C3
/Signal_Map/DRAM_DDR3L/DRAM_D10: U1.U5 U5.C8
/Signal_Map/DRAM_DDR3L/DRAM_D11: U1.R4 U5.C2
/Signal_Map/DRAM_DDR3L/DRAM_D12: U1.P5 U5.A7
/Signal_Map/DRAM_DDR3L/DRAM_D13: U1.P3 U5.A2
/Signal_Map/DRAM_DDR3L/DRAM_D14: U1.R2 U5.B8
/Signal_Map/DRAM_DDR3L/DRAM_D15: U1.R1 U5.A3
/Signal_Map/DRAM_DDR3L/DRAM_DQM0: U1.T7 U5.E7
/Signal_Map/DRAM_DDR3L/DRAM_DQM1: U1.T3 U5.D3
/Signal_Map/DRAM_DDR3L/DRAM_ODT: U1.N1 U5.K1
/Signal_Map/DRAM_DDR3L/DRAM_SDQS0_N: C54.2 C56.2 U1.P7 U5.G3
/Signal_Map/DRAM_DDR3L/DRAM_SDQS0_P: C54.1 C56.1 U1.P6 U5.F3
/Signal_Map/DRAM_DDR3L/DRAM_SDQS1_N: C55.2 C57.2 U1.T2 U5.B7
/Signal_Map/DRAM_DDR3L/DRAM_SDQS1_P: C55.1 C57.1 U1.T1 U5.C7
/Signal_Map/DRAM_DDR3L/DRAM_ZQ: R91.1 U5.L8
/Signal_Map/DRAM_DDR3L/~{DRAM_CAS}: U1.J2 U5.K3
/Signal_Map/DRAM_DDR3L/~{DRAM_CS0}: U1.N2 U5.L2
/Signal_Map/DRAM_DDR3L/~{DRAM_RAS}: U1.M5 U5.J3
/Signal_Map/DRAM_DDR3L/~{DRAM_RESET}: R92.1 U1.G4 U5.T2
/Signal_Map/DRAM_DDR3L/~{DRAM_SDWE}: U1.J1 U5.L3
/Signal_Map/eMMC/eMMC_CLK: R212.1 U6.M6
/Signal_Map/eMMC/eMMC_CLK_R: R212.2 R216.2
/Signal_Map/eMMC/eMMC_CMD: R211.1 U6.M5
/Signal_Map/eMMC/eMMC_CMD_R: R211.2 R215.2
/Signal_Map/eMMC/eMMC_DATA0: R203.2 U6.A3
/Signal_Map/eMMC/eMMC_DATA0_R: R203.1 R217.2
/Signal_Map/eMMC/eMMC_DATA1: R204.2 U6.A4
/Signal_Map/eMMC/eMMC_DATA1_R: R204.1 R218.2
/Signal_Map/eMMC/eMMC_DATA2: R205.2 U6.A5
/Signal_Map/eMMC/eMMC_DATA2_R: R205.1 R219.2
/Signal_Map/eMMC/eMMC_DATA3: R206.2 U6.B1 U6.B2
/Signal_Map/eMMC/eMMC_DATA3_R: R206.1 R220.2
/Signal_Map/eMMC/eMMC_DATA4: R207.2 U6.A2 U6.B3
/Signal_Map/eMMC/eMMC_DATA4_R: R207.1 R221.2
/Signal_Map/eMMC/eMMC_DATA5: R208.2 U6.B4 U6.C3 U6.D3 U6.E3
/Signal_Map/eMMC/eMMC_DATA5_R: R208.1 R222.2
/Signal_Map/eMMC/eMMC_DATA6: R209.2 U6.B5 U6.C5
/Signal_Map/eMMC/eMMC_DATA6_R: R209.1 R223.2
/Signal_Map/eMMC/eMMC_DATA7: R210.2 U6.A8 U6.B6 U6.B7
/Signal_Map/eMMC/eMMC_DATA7_R: R210.1 R224.2
/Signal_Map/eMMC/eMMC_VDDI: C39.1 U6.C1 U6.C2
/Signal_Map/eMMC/~{eMMC_RST_R}: R213.2 R214.2
/Signal_Map/eMMC/~{eMMC_RST}: R213.1 U6.K5
/Signal_Map/Ethernet/B-CAST_OFF: R138.1 R139.2 U7.19
/Signal_Map/Ethernet/CONFIG0: R118.1 R119.2 U7.28
/Signal_Map/Ethernet/CONFIG1: R120.1 R121.2 U7.29
/Signal_Map/Ethernet/ENET1_MDC: R106.1 R109.2 R184.2
/Signal_Map/Ethernet/ENET1_MDIO: R107.1 R108.2 R164.2
/Signal_Map/Ethernet/ENET1_RX_D0: R114.2 U1.F16
/Signal_Map/Ethernet/ENET1_RX_D1: R113.2 U1.E17
/Signal_Map/Ethernet/ENET1_RX_EN: R115.2 U1.E16
/Signal_Map/Ethernet/ENET1_RX_ER: R116.2 U1.D15
/Signal_Map/Ethernet/ENET1_TX_CLK: R157.2 U1.F14
/Signal_Map/Ethernet/ENET1_TX_CLK_R: R157.1 TP32.1 U7.9
/Signal_Map/Ethernet/ENET1_TX_D0: R111.2 U1.E15
/Signal_Map/Ethernet/ENET1_TX_D1: R110.2 U1.E14
/Signal_Map/Ethernet/ENET1_TX_EN: R112.2 U1.F15
/Signal_Map/Ethernet/ENET_REXT: R105.2 U7.10
/Signal_Map/Ethernet/ENET_RX_N: J4.6 U7.4
/Signal_Map/Ethernet/ENET_RX_P: J4.4 U7.5
/Signal_Map/Ethernet/ENET_TX_N: J4.3 U7.6
/Signal_Map/Ethernet/ENET_TX_P: J4.1 U7.7
/Signal_Map/Ethernet/ENET_VDD: C79.1 C80.1 U7.2
/Signal_Map/Ethernet/LED0_NWAYEN: J4.9 R136.1 R137.2 U7.30
/Signal_Map/Ethernet/LED1_SPEED: J4.11 R132.1 R133.2 U7.31
/Signal_Map/Ethernet/PHYAD0: R124.1 R125.2 U7.13
/Signal_Map/Ethernet/PHYAD1: R126.1 R127.2 U7.14
/Signal_Map/Ethernet/RJ45_CRD: C74.1 J4.5
/Signal_Map/Ethernet/RJ45_CTD: C73.1 J4.2
/Signal_Map/Ethernet/RMII_MDC: R109.1 U7.12
/Signal_Map/Ethernet/RMII_MDIO: R108.1 U7.11
/Signal_Map/Ethernet/RMII_RXD0/DUPLEX: R114.1 R134.1 R135.2 U7.16
/Signal_Map/Ethernet/RMII_RXD1/PHYAD2: R113.1 R128.1 R129.2 U7.15
/Signal_Map/Ethernet/RMII_RXDV/CONFIG2: R115.1 R122.1 R123.2 U7.18
/Signal_Map/Ethernet/RMII_RXER/ISO: R116.1 R130.1 R131.2 U7.20
/Signal_Map/Ethernet/RMII_TXD0: R111.1 U7.24
/Signal_Map/Ethernet/RMII_TXD1: R110.1 U7.25
/Signal_Map/Ethernet/RMII_TXEN: R112.1 U7.23
/Signal_Map/Ethernet/~{ENET1_INT}: C147.1 R99.1 R140.1 R141.2 U7.21
/Signal_Map/Ethernet/~{ENET1_RST}: C92.1 R142.1 R162.2 U7.32
/Signal_Map/Headers/CAM_PD: J7.17 TP66.1
/Signal_Map/Headers/CAM_RT: J7.18 TP65.1
/Signal_Map/Headers/CSI_DATA00_R: J7.15 R149.2
/Signal_Map/Headers/CSI_DATA01_R: J7.16 R150.2
/Signal_Map/Headers/CSI_DATA02_R: J7.13 R151.2
/Signal_Map/Headers/CSI_DATA03_R: J7.14 R152.2
/Signal_Map/Headers/CSI_DATA04_R: J7.11 R153.2
/Signal_Map/Headers/CSI_DATA05_R: J7.12 R154.2
/Signal_Map/Headers/CSI_DATA06_R: J7.9 R155.2
/Signal_Map/Headers/CSI_DATA07_R: J7.10 R156.2
/Signal_Map/Headers/CSI_HSYNC_R: J7.5 R148.2
/Signal_Map/Headers/CSI_MCLK_R: J7.7 R145.2
/Signal_Map/Headers/CSI_PIXCLK_R: J7.8 R146.2
/Signal_Map/Headers/CSI_VSYNC_R: J7.6 R147.2
/Signal_Map/Headers/I2C3_SCL: R270.2 R272.1 U1.C17
/Signal_Map/Headers/I2C3_SCL_R: J7.4 R270.1
/Signal_Map/Headers/I2C3_SDA: R269.2 R271.1 U1.C16
/Signal_Map/Headers/I2C3_SDA_R: J7.3 R269.1
/Signal_Map/Headers/IMX6_GPIO_0_R: J9.19 R143.2
/Signal_Map/Headers/IMX6_GPIO_1_R: J9.20 R144.2
/Signal_Map/Headers/IMX6_GPIO_2_R: J9.23 R160.2
/Signal_Map/Headers/IMX6_GPIO_3_R: J9.24 R161.2
/Signal_Map/Headers/IMX6_UART2_RX_DATA_R: J9.6 R195.1